# Allegro board 8880F5-0823_9.brd (continued)
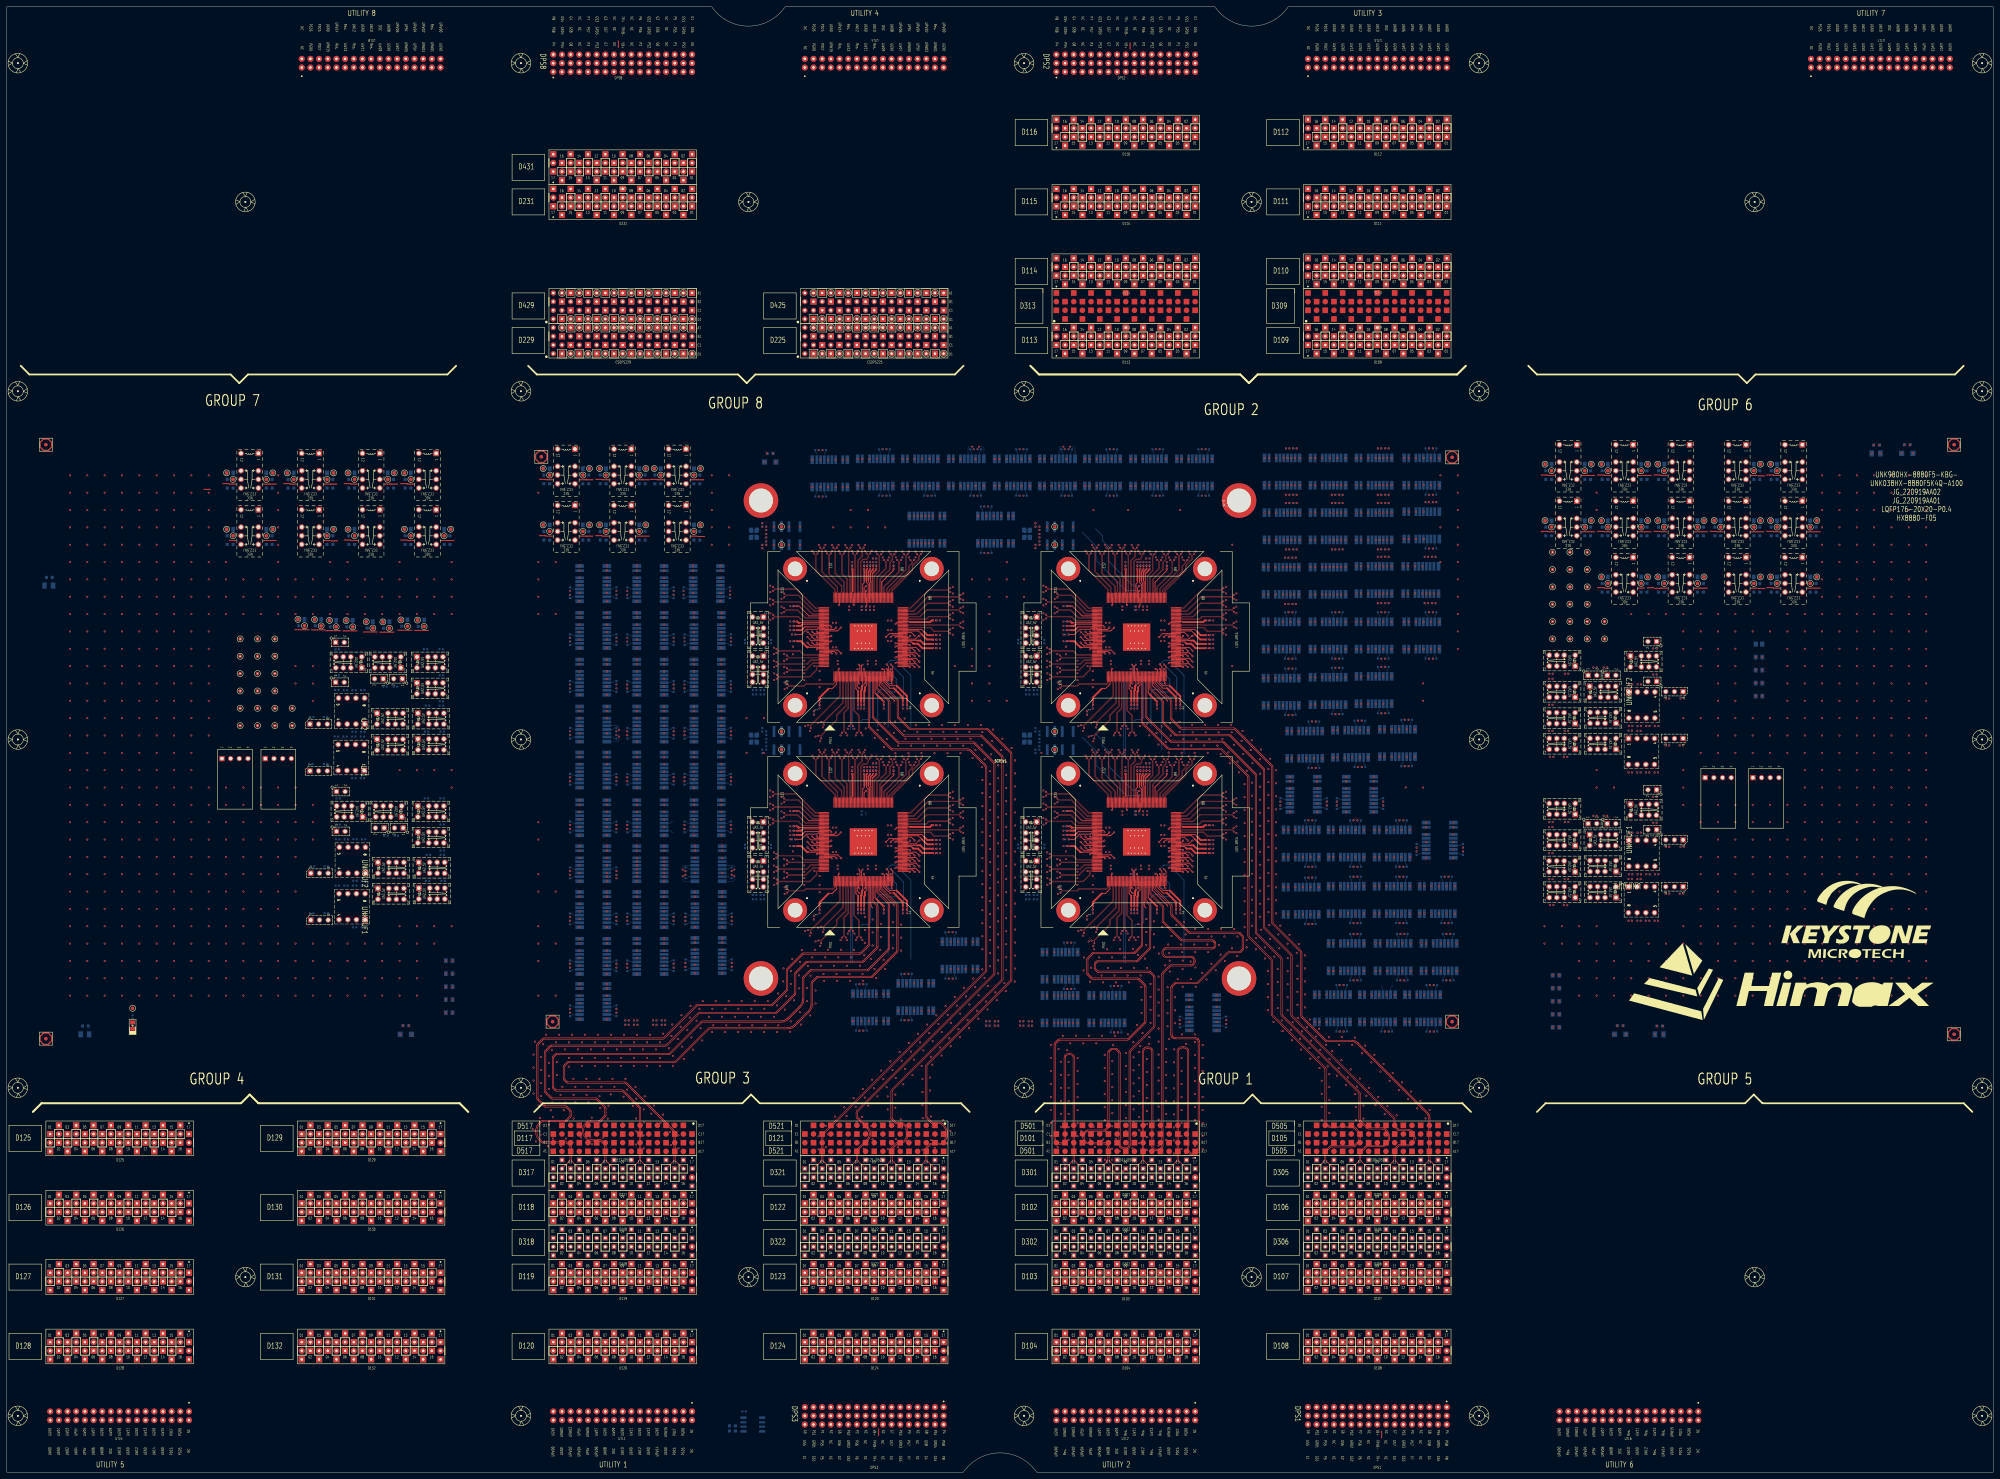
[diagram p0: board, top side]
## Routing (per net, layer and track width the routed paths; a pad name or vN(x,y) marks a point on that pad's centre or on a via; arc(x,y) is an arc through that point) (continued)
N26495843: length 3
  BOTTOM w0.119: UNK3R19.2 178.01,177.13 177.54,176.66 UNK3K4.3
N26495844:
  vias: v1(175.7,174.46) v1(178.5,173.99)
N26495845: length 3
  BOTTOM w0.119: UNK3K4.6 165.87,176.66 165.4,177.13 UNK3R21.2
N26495846: length 3
  BOTTOM w0.119: UNK3K2.5 249.13,141.98 248.66,142.45 UNK3R14.1
N26495847: length 3
  BOTTOM w0.119: UNK3R13.2 251.81,142.45 251.33,141.98 UNK3K2.6
N26504239: length 3
  BOTTOM w0.119: UNK4K25.3 393.83,189.99 393.35,190.46 UNK4R55.2
N26504240: length 3
  BOTTOM w0.119: UNK4R56.1 396.5,190.46 396.03,189.99 UNK4K25.4
N26504241: length 3
  BOTTOM w0.119: UNK4K25.6 393.83,178.31 393.35,177.84 UNK4R57.2
N26504242: length 3
  BOTTOM w0.119: UNK4R58.1 396.5,177.84 396.03,178.31 UNK4K25.5
N26504244: length 3
  BOTTOM w0.119: UNK4R59.2 406.82,190.46 407.29,189.99 UNK4K26.3
N26504245: length 3
  BOTTOM w0.119: UNK4K26.4 409.49,189.99 409.96,190.46 UNK4R60.1
N26504246: length 3
  BOTTOM w0.119: UNK4K26.6 407.29,178.31 406.82,177.84 UNK4R61.2
N26504247: length 3
  BOTTOM w0.119: UNK4R62.1 409.96,177.84 409.49,178.31 UNK4K26.5
N26504249: length 3
  BOTTOM w0.119: UNK4K27.5 382.82,161.55 383.29,161.08 UNK4R66.1
N26504250: length 3
  BOTTOM w0.119: UNK4K27.6 380.62,161.55 380.15,161.08 UNK4R65.2
N26504257: length 3
  BOTTOM w0.119: UNK4K22.6 373.89,196.98 373.42,197.45 UNK4R45.2
N26504258: length 3
  BOTTOM w0.119: UNK4R46.1 373.42,194.31 373.89,194.78 UNK4K22.5
N26504259: length 3
  BOTTOM w0.119: UNK4K23.3 402.08,196.98 402.55,197.45 UNK4R47.2
N26504260: length 3
  BOTTOM w0.119: UNK4K23.4 402.08,194.78 402.55,194.31 UNK4R48.1
N26504261: length 3
  BOTTOM w0.119: UNK4K23.6 390.4,196.98 389.93,197.45 UNK4R49.2
N26504262: length 3
  BOTTOM w0.119: UNK4K23.5 390.4,194.78 389.93,194.31 UNK4R50.1
N26504264: length 3
  BOTTOM w0.119: UNK4K24.3 356.1,132.97 356.57,133.44 UNK4R51.2
N26504265: length 3
  BOTTOM w0.119: UNK4R52.1 356.57,130.3 356.1,130.77 UNK4K24.4
N26504266: length 3
  BOTTOM w0.119: UNK4R53.2 343.96,133.44 344.43,132.97 UNK4K24.6
N26504267: length 3
  BOTTOM w0.119: UNK4K24.5 344.43,130.77 343.96,130.3 UNK4R54.1
N26504282: length 3
  BOTTOM w0.119: UNK4R102.2 386.04,197.45 385.57,196.98 UNK4K22.3
N26504283: length 3
  BOTTOM w0.119: UNK4K22.4 385.57,194.78 386.04,194.31 UNK4R103.1
N26504284: length 3
  BOTTOM w0.119: UNK4K27.3 380.62,173.22 380.15,173.69 UNK4R104.2
N26504285: length 3
  BOTTOM w0.119: UNK4K27.4 382.82,173.22 383.29,173.69 UNK4R105.1
N26504400:
  vias: v1(465.57,192.28)
N26504405:
  vias: v1(468.62,192.28)
N26504440: length 3
  BOTTOM w0.119: UNK4K17.3 416.18,141.73 415.71,142.2 UNK4R71.2
N26504441: length 3
  BOTTOM w0.119: UNK4R72.1 418.85,142.2 418.38,141.73 UNK4K17.4
N26504442: length 3
  BOTTOM w0.119: UNK4K17.5 418.38,130.05 418.85,129.58 UNK4R74.1
N26504443: length 3
  BOTTOM w0.119: UNK4K17.6 416.18,130.05 415.71,129.58 UNK4R73.2
N26504444: length 3
  BOTTOM w0.119: UNK4R75.2 389.29,142.2 389.76,141.73 UNK4K21.3
N26504445: length 3
  BOTTOM w0.119: UNK4K21.4 391.96,141.73 392.43,142.2 UNK4R76.1
N26504446: length 3
  BOTTOM w0.119: UNK4R78.1 392.43,129.58 391.96,130.05 UNK4K21.5
N26504447: length 3
  BOTTOM w0.119: UNK4K21.6 389.76,130.05 389.29,129.58 UNK4R77.2
N26504448: length 3
  BOTTOM w0.119: UNK4R79.2 406.82,173.95 407.29,173.48 UNK4K29.3
N26504449: length 3
  BOTTOM w0.119: UNK4K29.4 409.49,173.48 409.96,173.95 UNK4R80.1
N26504450: length 3
  BOTTOM w0.119: UNK4R43.2 406.82,161.33 407.29,161.8 UNK4K29.6
N26504451: length 3
  BOTTOM w0.119: UNK4R44.1 409.96,161.33 409.49,161.8 UNK4K29.5
N26504452: length 3
  BOTTOM w0.119: UNK4K30.3 310.01,154.17 309.53,154.64 UNK4R63.2
N26504453: length 3
  BOTTOM w0.119: UNK4K30.4 312.21,154.17 312.68,154.64 UNK4R64.1
N26504454: length 3
  BOTTOM w0.119: UNK4K30.5 312.21,142.5 312.68,142.03 UNK4R101.1
N26504455: length 3
  BOTTOM w0.119: UNK4R100.2 309.53,142.03 310.01,142.5 UNK4K30.6
N26504536: length 3
  BOTTOM w0.119: UNK4K16.3 393.83,173.48 393.35,173.95 UNK4R67.2
N26504537: length 3
  BOTTOM w0.119: UNK4K16.4 396.03,173.48 396.5,173.95 UNK4R68.1
N26504538: length 3
  BOTTOM w0.119: UNK4R70.1 396.5,161.33 396.03,161.8 UNK4K16.5
N26504539: length 3
  BOTTOM w0.119: UNK4R69.2 393.35,161.33 393.83,161.8 UNK4K16.6
N26504561: length 3
  BOTTOM w0.119: UNK4R30.1 396.5,144.57 396.03,145.04 UNK4K6.5
N26504563: length 3
  BOTTOM w0.119: UNK4R27.2 393.35,157.18 393.83,156.71 UNK4K6.3
N26504564: length 3
  BOTTOM w0.119: UNK4K6.4 396.03,156.71 396.5,157.18 UNK4R28.1
N26504565: length 3
  BOTTOM w0.119: UNK4R29.2 393.35,144.57 393.83,145.04 UNK4K6.6
N26504566: length 3
  BOTTOM w0.119: UNK4K7.5 413.77,181.32 413.3,180.84 UNK4R34.1
N26504568: length 3
  BOTTOM w0.119: UNK4R31.2 425.92,183.99 425.44,183.52 UNK4K7.3
N26504569: length 3
  BOTTOM w0.119: UNK4K7.4 425.44,181.32 425.92,180.84 UNK4R32.1
N26504570: length 3
  BOTTOM w0.119: UNK4R33.2 413.3,183.99 413.77,183.52 UNK4K7.6
N26504612: length 3
  BOTTOM w0.119: UNK4K11.3 380.62,189.99 380.15,190.46 UNK4R39.2
N26504613: length 3
  BOTTOM w0.119: UNK4K11.4 382.82,189.99 383.29,190.46 UNK4R40.1
N26504614: length 3
  BOTTOM w0.119: UNK4R38.1 405.64,129.58 405.17,130.05 UNK4K8.5
N26504616: length 3
  BOTTOM w0.119: UNK4K8.6 402.97,130.05 402.5,129.58 UNK4R37.2
N26504617: length 3
  BOTTOM w0.119: UNK4K11.6 380.62,178.31 380.15,177.84 UNK4R41.2
N26504618: length 3
  BOTTOM w0.119: UNK4R42.1 383.29,177.84 382.82,178.31 UNK4K11.5
N26504660: length 3
  BOTTOM w0.119: UNK4K5.5 423.2,145.04 423.68,144.57 UNK4R26.1
N26504662: length 3
  BOTTOM w0.119: UNK4K5.3 421,156.71 420.53,157.18 UNK4R23.2
N26504663: length 3
  BOTTOM w0.119: UNK4R24.1 423.68,157.18 423.2,156.71 UNK4K5.4
N26504664: length 3
  BOTTOM w0.119: UNK4R25.2 420.53,144.57 421,145.04 UNK4K5.6
N26504685: length 3
  BOTTOM w0.119: UNK4R18.1 326.39,129.33 325.92,129.8 UNK4K3.5
N26504686: length 3
  BOTTOM w0.119: UNK4R17.2 323.25,129.33 323.72,129.8 UNK4K3.6
N26504687: length 3
  BOTTOM w0.119: UNK4R16.1 326.39,141.94 325.92,141.47 UNK4K3.4
N26504688: length 3
  BOTTOM w0.119: UNK4K3.3 323.72,141.47 323.25,141.94 UNK4R15.2
N26504691: length 3
  BOTTOM w0.119: UNK4K1.5 422.7,161.8 423.17,161.33 UNK4R10.1
N26504692: length 3
  BOTTOM w0.119: UNK4R9.2 420.02,161.33 420.5,161.8 UNK4K1.6
N26504693: length 3
  BOTTOM w0.119: UNK4R8.1 423.17,173.95 422.7,173.48 UNK4K1.4
N26504694: length 3
  BOTTOM w0.119: UNK4R7.2 420.02,173.95 420.5,173.48 UNK4K1.3
N26504696: length 3
  BOTTOM w0.119: UNK4K2.3 407.54,156.71 407.07,157.18 UNK4R11.2
N26504697: length 3
  BOTTOM w0.119: UNK4K2.4 409.74,156.71 410.21,157.18 UNK4R12.1
N26504698: length 3
  BOTTOM w0.119: UNK4K4.5 411.01,207.78 411.48,207.31 UNK4R22.1
N26504700: length 3
  BOTTOM w0.119: UNK4R19.2 408.34,219.92 408.81,219.45 UNK4K4.3
N26504701: length 3
  BOTTOM w0.119: UNK4K4.4 411.01,219.45 411.48,219.92 UNK4R20.1
N26504702: length 3
  BOTTOM w0.119: UNK4R21.2 408.34,207.31 408.81,207.78 UNK4K4.6
N26504703: length 3
  BOTTOM w0.119: UNK4K2.5 409.74,145.04 410.21,144.57 UNK4R14.1
N26504704: length 3
  BOTTOM w0.119: UNK4R13.2 407.07,144.57 407.54,145.04 UNK4K2.6
N26504896:
  vias: v1(456.25,190.45)
N26504897:
  vias: v1(451.68,190.45)
N26504937:
  vias: v1(451.62,188.98)
N26504938:
  vias: v1(451.62,181.36)
N26504999:
  vias: v1(483.1,190.25)
N26505003:
  vias: v1(483.1,197.87)
N26509126:
  vias: v1(491.1,183.24)
N26509130:
  vias: v1(490.86,169.47)
N26509132:
  vias: v1(485.8,169.47)
N26509139:
  vias: v1(477.53,175.15)
N26509173:
  vias: v1(477.43,161.55)
N26509211:
  vias: v1(485.8,183.19)

## Copper pours and planes (outline as drawn; the poured copper is in the pictures)
Net_1 on L02_DGND: 8.32,299.68 8.32,129.45 568.71,129.45 568.71,299.68
Net_2 on L02_DGND: 230.83,204.63 230.83,164.63 270.83,164.63 270.83,204.63
Net_2 on L02_DGND: 310.83,204.63 310.83,164.63 350.83,164.63 350.83,204.63
Net_2 on L02_DGND: 230.83,264.63 230.83,224.63 270.83,224.63 270.83,264.63
Net_2 on L02_DGND: 310.83,264.63 310.83,224.63 350.83,224.63 350.83,264.63

## Text on the board
User.Comments: CR_SS_6 | CR_2_2 | CR_RELAY_19 | CR_4_2 | CR_3_1 | CR_2_3 | CR_UNNAMED_2 | CR_UNNAMED_3 | CR_QQ_28 | CR_A_23 | CR_5_1 | CR_5_2 | CR_QQ_12 | CR_QQ_11 | CR_A_28 | CR_A_21 | CR_A_25 | CR_A_26 | CR_A_30 | CR_A_32 | CR_A_22 | CR_A_24 | CR_A_27 | CR_A_29 | CR_A_31 | CR_A_20
